# Altium PCB CC_V1.4.PcbDoc (part 2 of 8)
Units mm, origin at the board's own origin, x right, y up, seen from the top; angles counter-clockwise.
Board outline 145 x 123.85 mm, 4 copper layers (Top, GND, Power Plane, Bottom), stack 1.573 mm thick; 334 components, 307 nets, 1570 pads, 1725 vias.
Unrouted connection lines stored in the file: 33.
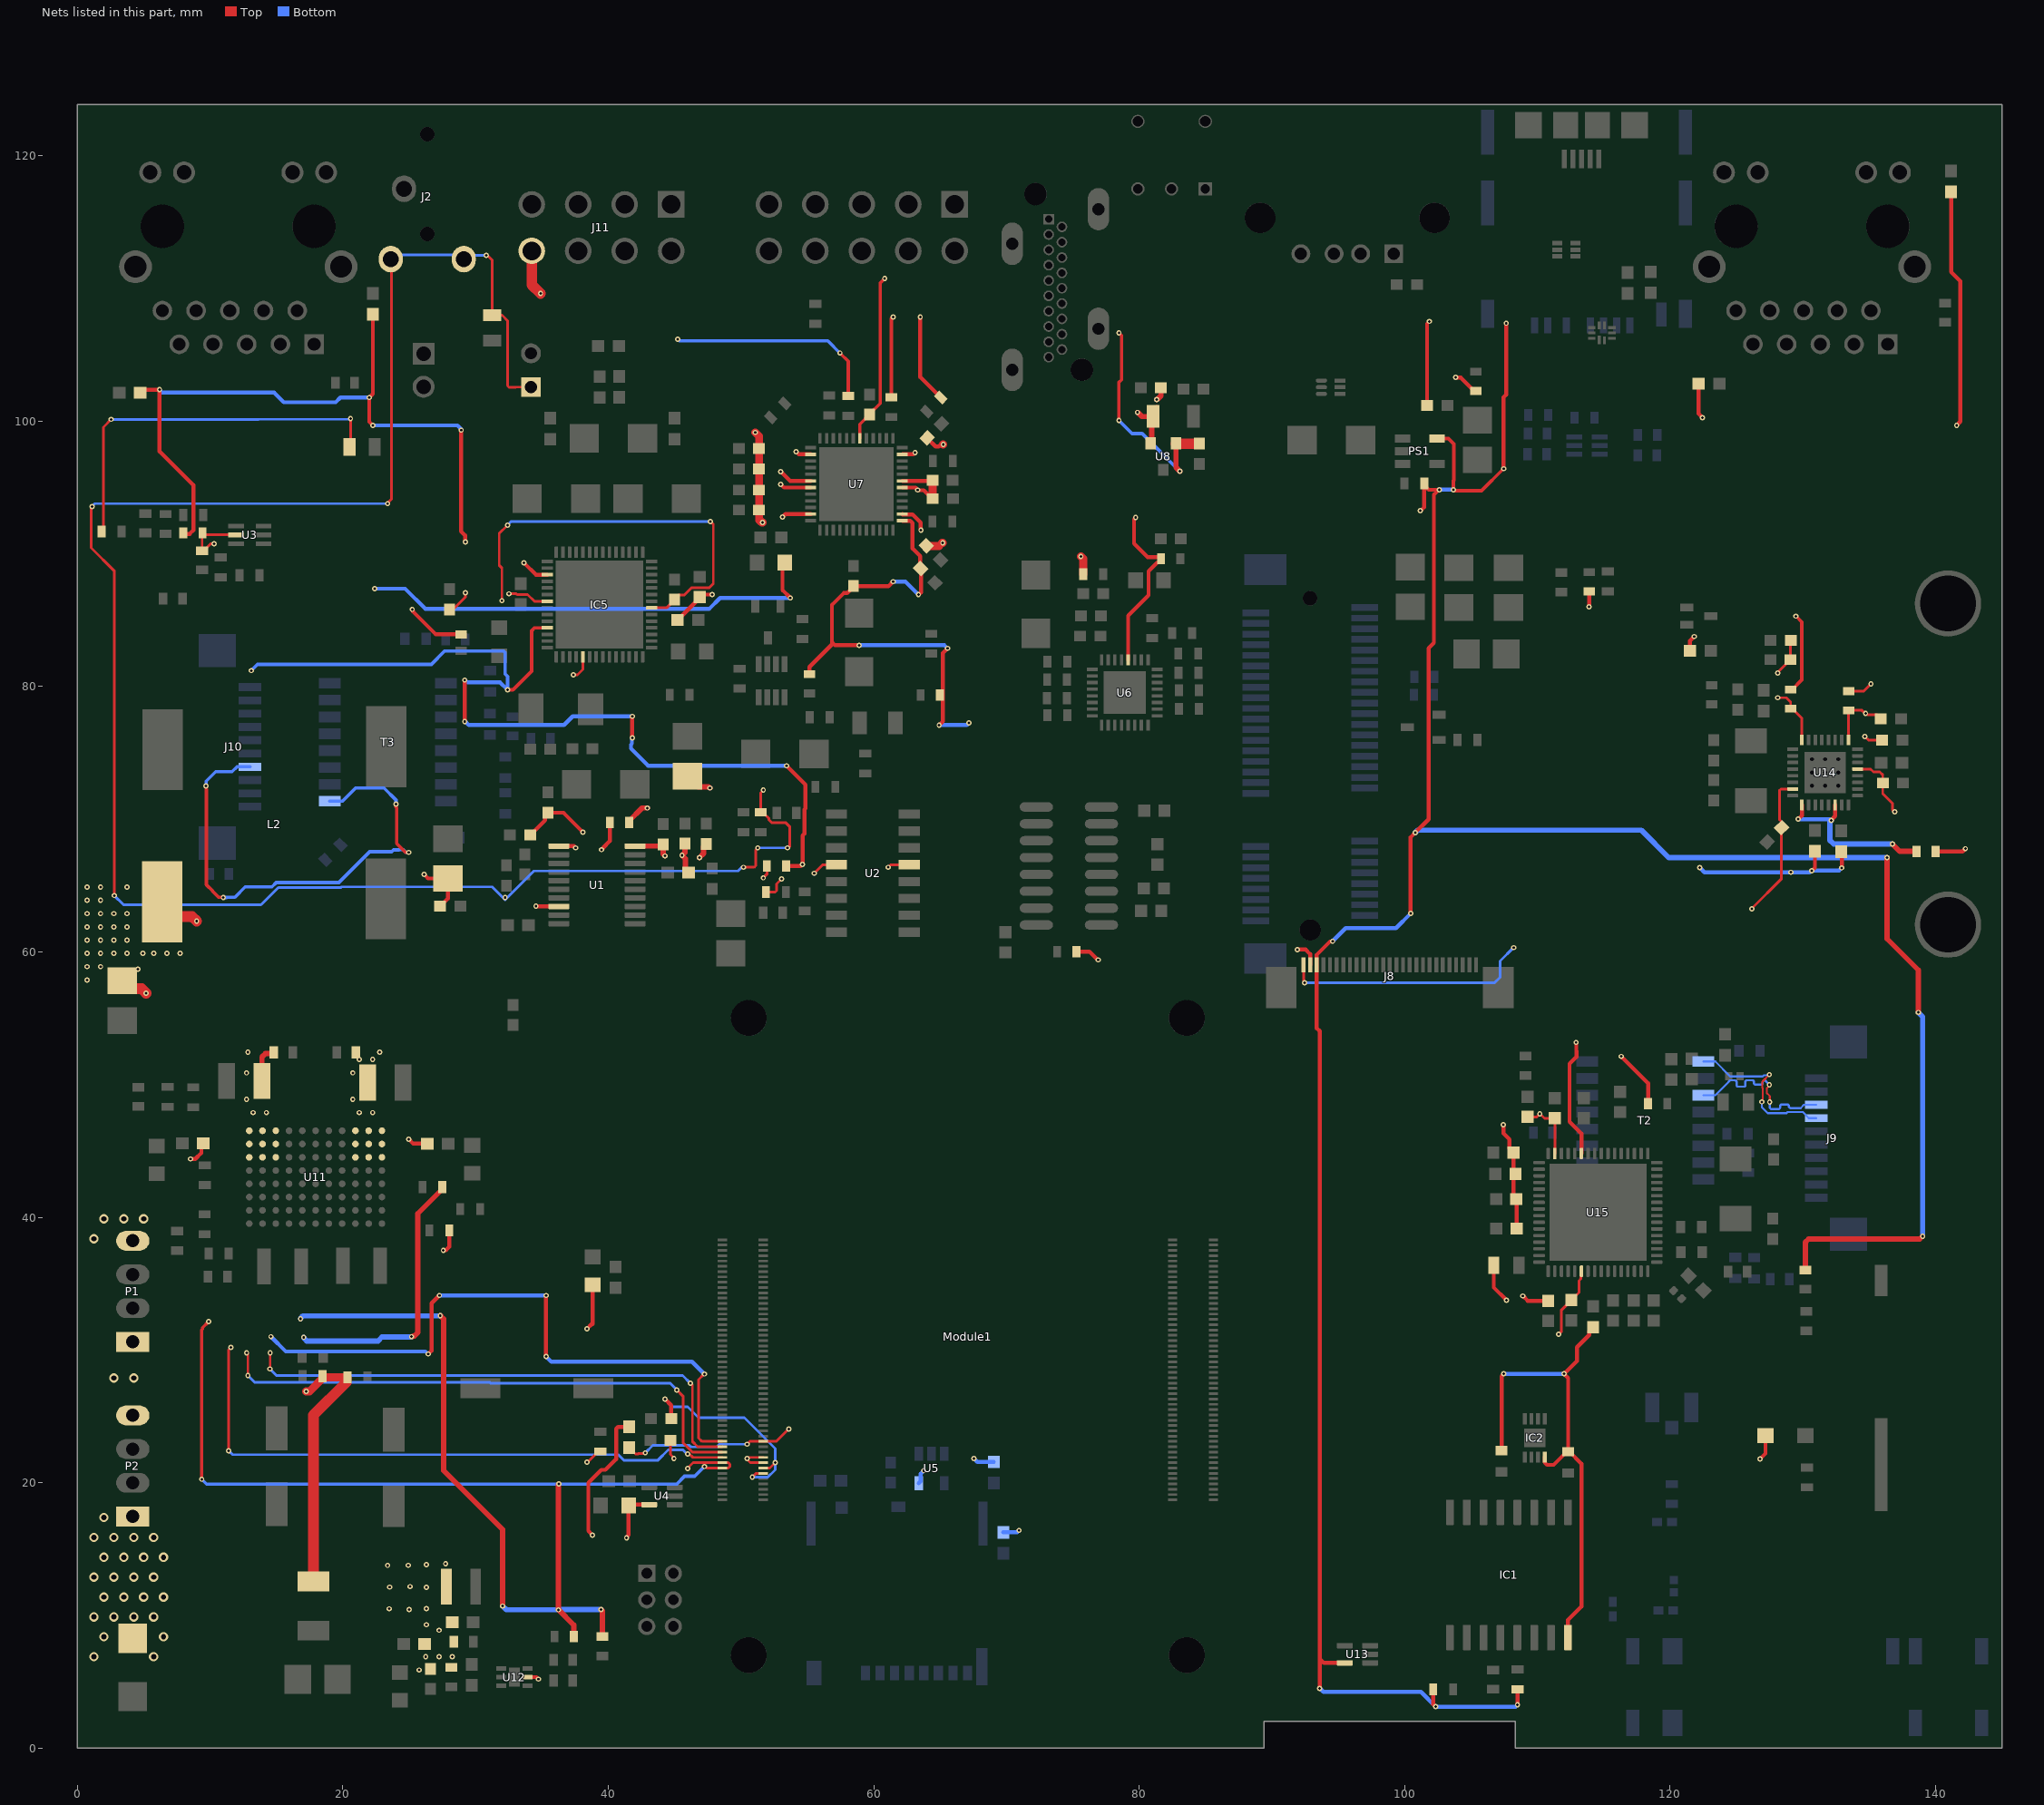
[diagram p4: the nets of this part, all layers, seen from the top]

## Footprints (in the part's own frame and the unit in brackets; to place one, negate y for a bottom-side part, rotate by r counter-clockwise, add the part's x,y. Pads: shape width x height; smd on the part's side, far side on the other; paste and mask are expansions set on the pad) (continued)
HDR1X2 [mm] "Connector; Header; 2 Position"
  rect 1.5x1.5 hole 0.9: 1(0,0)
  round 1.5 hole 0.9: 2(2.54,0)
  silkscreen extent -1.27,-1.27 3.81,1.27
"Key_Tak Switch - Push to On" [mm]
  rect 3x1.5 smd: 1(-0.79,2.21) 2(7.735,2.21)
  silkscreen extent 0,0.51 7,3.91, body extent -0.03,0.53 6.98,3.91, height 2
LED_0805_Green [mm]
  rect 1.1x1.2 smd: 1(-1.05,0) 2(1.05,0)
  silkscreen extent -1.91,-0.89 2.03,0.89, body extent -1,-0.63 1,0.62, height 0.68
LQG15HN [mm]
  rect 0.75x0.6 smd: 1(-0.55,0) 2(0.55,0)
  silkscreen extent 0,-0.15 0,0.15, body extent -0.5,-0.25 0.5,0.25, height 0.55
"Micro SIM Connector (5039600695)" [mm]
  rect 1x2.1 smd: 1(0.599,-15.7) 1(15.502,-15.7)
  rect 1x3.4 smd: 1(0.599,-7.35) 1(0.599,-2.022) 1(15.502,-7.35) 1(15.502,-2.022)
  rect 0.55x1.2 smd: C1(5.78,-16.579) C2(7.78,-16.579) C3(11.985,-16.579) C4(9.58,-16.579) C5(4.78,-16.579) C6(6.78,-16.579) C7(10.985,-16.579)
  rect 0.8x1.8 smd: C8(2.416,-15.748)
  silkscreen extent -0.22,-15.99 16.31,0, body extent 0.3,-16.75 15.8,0, height 1.42
"MINI PCIE" [mm]
  rect 0.508x2.007 smd: 1(-11.8,-30.275) 2(-11.4,-22.075) 3(-11,-30.275) 4(-10.6,-22.075) 5(-10.2,-30.275) 6(-9.8,-22.075) 7(-9.4,-30.275) 8(-9,-22.075) 9(-8.6,-30.275) 10(-8.2,-22.075) 11(-7.8,-30.275) 12(-7.4,-22.075) 13(-7,-30.275) 14(-6.6,-22.075) 15(-6.2,-30.275) 16(-5.8,-22.075) 17(-2.2,-30.275) 18(-1.8,-22.075) 19(-1.4,-30.275) 20(-1,-22.075) 21(-0.6,-30.275) 22(-0.2,-22.075) 23(0.2,-30.275) 24(0.6,-22.075) 25(1,-30.275) 26(1.4,-22.075) 27(1.8,-30.275) 28(2.2,-22.075) 29(2.6,-30.275) 30(3,-22.075) 31(3.4,-30.275) 32(3.8,-22.075) 33(4.2,-30.275) 34(4.6,-22.075) 35(5,-30.275) 36(5.4,-22.075) 37(5.8,-30.275) 38(6.2,-22.075) 39(6.6,-30.275) 40(7,-22.075) 41(7.4,-30.275) 42(7.8,-22.075) 43(8.2,-30.275) 44(8.6,-22.075) 45(9,-30.275) 46(9.4,-22.075) 47(9.8,-30.275) 48(10.2,-22.075) 49(10.6,-30.275) 50(11,-22.075) 51(11.4,-30.275) 52(11.8,-22.075)
  round 1.6 / inner round 1.524 / far side round 1.6 hole 1.6: G1(-12.5,-26.175)
  round 1.092 hole 1.092: G2(12.5,-26.175)
  rect 2.311x3.2 smd: M1(-14.65,-29.545) M2(14.65,-29.545)
  round 6.3 / inner round 1.524 / far side round 5 hole 4.2: ""(-12.1,21.875) ""(12.1,21.875)
  Multi-Layer keep-out circle w0.025: c-12.5,-26.175 r1.105
  silkscreen extent -15,-30.27 15,18.73, body extent -14.99,-30.66 15.01,24.42, height 6.95
ML-1220F1AN [mm]
  rect 7x0.95 smd: 1(-5.5,0)
  rect 2.35x0.95 smd: 2(8.4,0)
  silkscreen extent -9.63,-7.82 6.37,4.81, body extent -7.9,-7.92 8.95,4.68, height 2.7
MOLEX_503398-1892 [mm]
  rect 0.7x1.1 smd: 1(-2.38,5.625) 2(-1.28,5.625) 3(-0.18,5.625) 4(0.92,5.625) 5(2.02,5.625) 6(3.12,5.625) 7(4.22,5.625) 8(5.32,5.625)
  rect 0.9x0.93 smd: 9(-4.17,-6.84)
  rect 1.05x0.78 smd: 10(0.095,-6.915)
  rect 1.14x1.83 smd: P1(-6.26,5.61)
  rect 0.86x2.8 smd: P2(6.4,5.125)
  rect 0.7x3.33 smd: P3(-6.48,-5.64) P4(6.48,-5.64)
  silkscreen extent -6.55,-7.02 6.55,7.57
NR3015T2R2M [mm]
  rect 0.8x2.7 smd: 1(-1.1,0) 2(1.1,0)
  silkscreen extent -1.5,-1.5 1.5,1.5, body extent -1.5,-1.5 1.5,1.5, height 1.5
ON_Semiconductor_523BC_MFG [mm]
  rect 0.663x0.225 smd paste+0 mask+0: 1(-0.519,0.2)
  rect 0.563x0.225 smd paste+0 mask+0: 2(-0.569,-0.2) 6(0.569,-0.2) 7(0.569,0.2)
  rect 0.225x0.563 smd paste+0 mask+0: 3(-0.4,-0.768) 4(0,-0.768) 5(0.4,-0.768) 8(0.4,0.768) 9(0,0.768) 10(-0.4,0.768)
  silkscreen extent -1.55,-1.43 0.5,1.43, body extent -0.71,-0.91 0.71,0.91, height 0.55
OST_USB-A1HSW6 [mm]
  rect 1.428x1.428 hole 0.92: 1(-3.5,6.51)
  round 1.428 hole 0.92: 2(-1,6.51) 3(1,6.51) 4(3.5,6.51)
  round 2.3 hole 2.3 unplated: ""(-6.57,3.8) ""(6.57,3.8)
  silkscreen extent -6.55,-6.5 6.55,7.6, body extent -7.9,-6.48 7.9,7.62, height 6.56
PCBComponent_1#1 [mm]
  oval 2x1.8 hole 1.2: 1(-5.3,-4.5) 2(0,0) 3(0,-5.5)
  round 1.1 hole 1.1: 4(-1.9,-2.75) 5(-9.4,-2.75)
  silkscreen extent -13.4,-6.39 1.05,0.9, body extent -13.4,-6.37 0.6,0.83, height 5.9
PCBComponent_1#2 [mm]
  rect 1.7x0.6 smd: 1(-3.256,4.249) 2(-3.256,3.249) 3(-3.256,2.249) 4(-3.256,1.249) 5(-3.256,0.249) 6(-3.256,-0.751) 7(-3.256,-1.751) 8(-3.256,-2.751) 9(-3.256,-3.751) 10(-3.256,-4.751)
  rect 2.8x2.5 smd: S1(-0.806,6.999) S2(-0.806,-7.501)
  silkscreen extent -4.96,-8.75 3.14,8.25, body extent -3.94,-8.75 2.81,8.25, height 2.52
PCBComponent_1#3 [mm]
  round 1 hole 0.8: 2(2.205,2.255) 3(-2.875,2.255)
  rect 1x1 hole 0.7: 4(2.205,-2.825)
  round 1 hole 0.7: 5(-0.335,-2.825) 6(-2.875,-2.825)
  silkscreen extent -4.14,-3.59 3.35,7.08, body extent -4.09,-3.1 3.42,7.08, height 5
"PCBComponent_1 - duplicate" [mil]
  rect 240x120 smd: 1(0,0) 2(451,-1) 3(460,-664) 4(9,-663)
  silkscreen extent -125,-713 584,52
QFN50P500X500X90-33N [mm]
  rrect25% 0.81x0.27 smd: 1(-2.445,1.75) 2(-2.445,1.25) 3(-2.445,0.75) 4(-2.445,0.25) 5(-2.445,-0.25) 6(-2.445,-0.75) 7(-2.445,-1.25) 8(-2.445,-1.75) 17(2.445,-1.75) 18(2.445,-1.25) 19(2.445,-0.75) 20(2.445,-0.25) 21(2.445,0.25) 22(2.445,0.75) 23(2.445,1.25) 24(2.445,1.75)
  rrect25% 0.27x0.81 smd: 9(-1.75,-2.445) 10(-1.25,-2.445) 11(-0.75,-2.445) 12(-0.25,-2.445) 13(0.25,-2.445) 14(0.75,-2.445) 15(1.25,-2.445) 16(1.75,-2.445) 25(1.75,2.445) 26(1.25,2.445) 27(0.75,2.445) 28(0.25,2.445) 29(-0.25,2.445) 30(-0.75,2.445) 31(-1.25,2.445) 32(-1.75,2.445)
  rect 3.1x3.1 smd paste-3: 33(0,0)
  round 0.4 hole 0.3: 33_1(-1,1) 33_2(0,1) 33_3(1,1) 33_4(-1,0) 33_5(0,0) 33_6(1,0) 33_7(-1,-1) 33_8(0,-1) 33_9(1,-1)
  silkscreen extent -3.55,-2.52 2.52,2.52
QFN50P800X800X90-57N [mm]
  rrect25% 0.86x0.27 smd: 1(-3.935,3.25) 2(-3.935,2.75) 3(-3.935,2.25) 4(-3.935,1.75) 5(-3.935,1.25) 6(-3.935,0.75) 7(-3.935,0.25) 8(-3.935,-0.25) 9(-3.935,-0.75) 10(-3.935,-1.25) 11(-3.935,-1.75) 12(-3.935,-2.25) 13(-3.935,-2.75) 14(-3.935,-3.25) 29(3.935,-3.25) 30(3.935,-2.75) 31(3.935,-2.25) 32(3.935,-1.75) 33(3.935,-1.25) 34(3.935,-0.75) 35(3.935,-0.25) 36(3.935,0.25) 37(3.935,0.75) 38(3.935,1.25) 39(3.935,1.75) 40(3.935,2.25) 41(3.935,2.75) 42(3.935,3.25)
  rrect25% 0.27x0.86 smd: 15(-3.25,-3.935) 16(-2.75,-3.935) 17(-2.25,-3.935) 18(-1.75,-3.935) 19(-1.25,-3.935) 20(-0.75,-3.935) 21(-0.25,-3.935) 22(0.25,-3.935) 23(0.75,-3.935) 24(1.25,-3.935) 25(1.75,-3.935) 26(2.25,-3.935) 27(2.75,-3.935) 28(3.25,-3.935) 43(3.25,3.935) 44(2.75,3.935) 45(2.25,3.935) 46(1.75,3.935) 47(1.25,3.935) 48(0.75,3.935) 49(0.25,3.935) 50(-0.25,3.935) 51(-0.75,3.935) 52(-1.25,3.935) 53(-1.75,3.935) 54(-2.25,3.935) 55(-2.75,3.935) 56(-3.25,3.935)
  rect 6.61x6.61 smd paste-4: 57(0,0)
  silkscreen extent -5.09,-4.05 4.05,4.05
QFN50P900X900X100-65N730X730 [mm]
  rrect50% 0.86x0.26 smd: 1(-4.435,3.75) 2(-4.435,3.25) 3(-4.435,2.75) 4(-4.435,2.25) 5(-4.435,1.75) 6(-4.435,1.25) 7(-4.435,0.75) 8(-4.435,0.25) 9(-4.435,-0.25) 10(-4.435,-0.75) 11(-4.435,-1.25) 12(-4.435,-1.75) 13(-4.435,-2.25) 14(-4.435,-2.75) 15(-4.435,-3.25) 16(-4.435,-3.75) 33(4.435,-3.75) 34(4.435,-3.25) 35(4.435,-2.75) 36(4.435,-2.25) 37(4.435,-1.75) 38(4.435,-1.25) 39(4.435,-0.75) 40(4.435,-0.25) 41(4.435,0.25) 42(4.435,0.75) 43(4.435,1.25) 44(4.435,1.75) 45(4.435,2.25) 46(4.435,2.75) 47(4.435,3.25) 48(4.435,3.75)
  rrect50% 0.26x0.86 smd: 17(-3.75,-4.435) 18(-3.25,-4.435) 19(-2.75,-4.435) 20(-2.25,-4.435) 21(-1.75,-4.435) 22(-1.25,-4.435) 23(-0.75,-4.435) 24(-0.25,-4.435) 25(0.25,-4.435) 26(0.75,-4.435) 27(1.25,-4.435) 28(1.75,-4.435) 29(2.25,-4.435) 30(2.75,-4.435) 31(3.25,-4.435) 32(3.75,-4.435) 49(3.75,4.435) 50(3.25,4.435) 51(2.75,4.435) 52(2.25,4.435) 53(1.75,4.435) 54(1.25,4.435) 55(0.75,4.435) 56(0.25,4.435) 57(-0.25,4.435) 58(-0.75,4.435) 59(-1.25,4.435) 60(-1.75,4.435) 61(-2.25,4.435) 62(-2.75,4.435) 63(-3.25,4.435) 64(-3.75,4.435)
  rect 7.3x7.3 smd paste-5: 65(0,0)
  silkscreen extent -6.67,-4.5 4.5,4.5
R0603 [mil]
  rect 37x35 smd: 1(-31,0) 2(31,0)
  silkscreen extent -58,-25 57,25, body extent -32,-16 31,16, height 18
Raspberry-Pi-4-Compute-Module [mm]
  rect 0.7x0.2 smd mask+0: 1(-2,31.3) 2(1.08,31.3) 3(-2,30.9) 4(1.08,30.9) 5(-2,30.5) 6(1.08,30.5) 7(-2,30.1) 8(1.08,30.1) 9(-2,29.7) 10(1.08,29.7) 11(-2,29.3) 12(1.08,29.3) 13(-2,28.9) 14(1.08,28.9) 15(-2,28.5) 16(1.08,28.5) 17(-2,28.1) 18(1.08,28.1) 19(-2,27.7) 20(1.08,27.7) 21(-2,27.3) 22(1.08,27.3) 23(-2,26.9) 24(1.08,26.9) 25(-2,26.5) 26(1.08,26.5) 27(-2,26.1) 28(1.08,26.1) 29(-2,25.7) 30(1.08,25.7) 31(-2,25.3) 32(1.08,25.3) 33(-2,24.9) 34(1.08,24.9) 35(-2,24.5) 36(1.08,24.5) 37(-2,24.1) 38(1.08,24.1) 39(-2,23.7) 40(1.08,23.7) 41(-2,23.3) 42(1.08,23.3) 43(-2,22.9) 44(1.08,22.9) 45(-2,22.5) 46(1.08,22.5) 47(-2,22.1) 48(1.08,22.1) 49(-2,21.7) 50(1.08,21.7) 51(-2,21.3) 52(1.08,21.3) 53(-2,20.9) 54(1.08,20.9) 55(-2,20.5) 56(1.08,20.5) 57(-2,20.1) 58(1.08,20.1) 59(-2,19.7) 60(1.08,19.7) 61(-2,19.3) 62(1.08,19.3) 63(-2,18.9) 64(1.08,18.9) 65(-2,18.5) 66(1.08,18.5) 67(-2,18.1) 68(1.08,18.1) 69(-2,17.7) 70(1.08,17.7) 71(-2,17.3) 72(1.08,17.3) 73(-2,16.9) 74(1.08,16.9) 75(-2,16.5) 76(1.08,16.5) 77(-2,16.1) 78(1.08,16.1) 79(-2,15.7) 80(1.08,15.7) 81(-2,15.3) 82(1.08,15.3) 83(-2,14.9) 84(1.08,14.9) 85(-2,14.5) 86(1.08,14.5) 87(-2,14.1) 88(1.08,14.1) 89(-2,13.7) 90(1.08,13.7) 91(-2,13.3) 92(1.08,13.3) 93(-2,12.9) 94(1.08,12.9) 95(-2,12.5) 96(1.08,12.5) 97(-2,12.1) 98(1.08,12.1) 99(-2,11.7) 100(1.08,11.7) 101(31.92,31.3) 102(35,31.3) 103(31.92,30.9) 104(35,30.9) 105(31.92,30.5) 106(35,30.5) 107(31.92,30.1) 108(35,30.1) 109(31.92,29.7) 110(35,29.7) 111(31.92,29.3) 112(35,29.3) 113(31.92,28.9) 114(35,28.9) 115(31.92,28.5) 116(35,28.5) 117(31.92,28.1) 118(35,28.1) 119(31.92,27.7) 120(35,27.7) 121(31.92,27.3) 122(35,27.3) 123(31.92,26.9) 124(35,26.9) 125(31.92,26.5) 126(35,26.5) 127(31.92,26.1) 128(35,26.1) 129(31.92,25.7) 130(35,25.7) 131(31.92,25.3) 132(35,25.3) 133(31.92,24.9) 134(35,24.9) 135(31.92,24.5) 136(35,24.5) 137(31.92,24.1) 138(35,24.1) 139(31.92,23.7) 140(35,23.7) 141(31.92,23.3) 142(35,23.3) 143(31.92,22.9) 144(35,22.9) 145(31.92,22.5) 146(35,22.5) 147(31.92,22.1) 148(35,22.1) 149(31.92,21.7) 150(35,21.7) 151(31.92,21.3) 152(35,21.3) 153(31.92,20.9) 154(35,20.9) 155(31.92,20.5) 156(35,20.5) 157(31.92,20.1) 158(35,20.1) 159(31.92,19.7) 160(35,19.7) 161(31.92,19.3) 162(35,19.3) 163(31.92,18.9) 164(35,18.9) 165(31.92,18.5) 166(35,18.5) 167(31.92,18.1) 168(35,18.1) 169(31.92,17.7) 170(35,17.7) 171(31.92,17.3) 172(35,17.3) 173(31.92,16.9) 174(35,16.9) 175(31.92,16.5) 176(35,16.5) 177(31.92,16.1) 178(35,16.1) 179(31.92,15.7) 180(35,15.7) 181(31.92,15.3) 182(35,15.3) 183(31.92,14.9) 184(35,14.9) 185(31.92,14.5) 186(35,14.5) 187(31.92,14.1) 188(35,14.1) 189(31.92,13.7) 190(35,13.7) 191(31.92,13.3) 192(35,13.3) 193(31.92,12.9) 194(35,12.9) 195(31.92,12.5) 196(35,12.5) 197(31.92,12.1) 198(35,12.1) 199(31.92,11.7) 200(35,11.7)
  round 2.7 hole 2.7 paste-2.7 mask+1.7: Un1(0,0) Un2(33,48) Un3(33,0) Un4(0,48)
  silkscreen extent -3.5,-3.5 36.5,51.5
"RES 0603" [mm]
  rect 0.9x0.7 smd: 1(0,0.8) 2(0,-0.8)
  silkscreen extent -0.33,-0.09 0.33,0.11, body extent -0.38,-0.63 0.38,0.89, height 0.45
"RES (0603)"#1 [mm]
  rect 0.6x0.9 smd: 1(0,0) 2(1.5,0)
  silkscreen extent 0.64,-0.33 0.84,0.33, body extent -0.14,-0.38 1.38,0.38, height 0.45
"RES (0603)"#2 [mm]
  rect 0.6x0.85 smd: 1(0,0) 2(1.244,0)
  silkscreen extent 0.52,-0.33 0.72,0.33, body extent -0.14,-0.38 1.38,0.38, height 0.45
"SODFL3616X98N (SOD-123FL)" [mm]
  rect 1.24x1.12 smd: 1(-1.5,0) 2(1.5,0)
  silkscreen extent -2.12,-0.82 1.35,0.82, body extent -1.8,-0.82 1.8,0.82, height 0.98
SOIC16_M [mm] "SOIC, 16-Leads, Body 9.9x3.9mm, Pitch 1.27mm, IPC Low Density"
  oval 2.5x0.7 smd: 1(-2.45,4.445) 2(-2.45,3.175) 3(-2.45,1.905) 4(-2.45,0.635) 5(-2.45,-0.635) 6(-2.45,-1.905) 7(-2.45,-3.175) 8(-2.45,-4.445) 9(2.45,-4.445) 10(2.45,-3.175) 11(2.45,-1.905) 12(2.45,-0.635) 13(2.45,0.635) 14(2.45,1.905) 15(2.45,3.175) 16(2.45,4.445)
  silkscreen extent -2.58,-5 0.8,5.47, body extent -2,-5 2,5, height 1.91
"SOIC127P605X175-16N (SOIC16)" [mm]
  rect 1.575x0.7 smd: 1(-2.738,4.445) 2(-2.738,3.175) 3(-2.738,1.905) 4(-2.738,0.635) 5(-2.738,-0.635) 6(-2.738,-1.905) 7(-2.738,-3.175) 8(-2.738,-4.445) 9(2.738,-4.445) 10(2.738,-3.175) 11(2.738,-1.905) 12(2.738,-0.635) 13(2.738,0.635) 14(2.738,1.905) 15(2.738,3.175) 16(2.738,4.445)
  silkscreen extent -3.52,-4.95 1.6,5.15, body extent -3.03,-4.95 3.03,4.95, height 1.75
"SOIC127P940X597-16N (SOIC16)" [mm]
  rect 1.645x0.8 smd: 1(-4.378,4.445) 2(-4.378,3.175) 3(-4.378,1.905) 4(-4.378,0.635) 5(-4.378,-0.635) 6(-4.378,-1.905) 7(-4.378,-3.175) 8(-4.378,-4.445) 9(4.378,-4.445) 10(4.378,-3.175) 11(4.378,-1.905) 12(4.378,-0.635) 13(4.378,0.635) 14(4.378,1.905) 15(4.378,3.175) 16(4.378,4.445)
  silkscreen extent -5.2,-6.35 3.21,6.35, body extent -4.7,-6.35 4.7,6.35, height 5.97
SOIC127P1032X265-16N [mm]
  rrect25% 1.92x0.59 smd: 1(-4.72,4.445) 2(-4.72,3.175) 3(-4.72,1.905) 4(-4.72,0.635) 5(-4.72,-0.635) 6(-4.72,-1.905) 7(-4.72,-3.175) 8(-4.72,-4.445) 9(4.72,-4.445) 10(4.72,-3.175) 11(4.72,-1.905) 12(4.72,-0.635) 13(4.72,0.635) 14(4.72,1.905) 15(4.72,3.175) 16(4.72,4.445)
  silkscreen extent -6.84,-5.15 3.75,5.23
SON50P150X170X55-6N-D [mm]
  rect 0.85x0.3 smd: 1(-0.7,0.5) 2(-0.7,0) 3(-0.7,-0.5)
  oval 0.85x0.3 smd: 4(0.7,-0.5) 5(0.7,0) 6(0.7,0.5)
  silkscreen extent -1.25,1.03 -1,1.27, body extent -0.8,-0.85 0.8,0.85, height 0.55
"SON65P200X200X80-7N (WDFN-6L)" [mm]
  rect 0.75x0.35 smd: 1(-1,0.65) 2(-1,0) 3(-1,-0.65) 4(1,-0.65) 5(1,0) 6(1,0.65)
  rect 0.85x1.45 smd: 7(0,0)
  silkscreen extent -1.5,1.2 -1.25,1.45, body extent -1.05,-1 1.05,1, height 0.8
SOP65P640X120-20N [mm]
  rrect25% 1.57x0.41 smd: 1(-2.87,2.925) 2(-2.87,2.275) 3(-2.87,1.625) 4(-2.87,0.975) 5(-2.87,0.325) 6(-2.87,-0.325) 7(-2.87,-0.975) 8(-2.87,-1.625) 9(-2.87,-2.275) 10(-2.87,-2.925) 11(2.87,-2.925) 12(2.87,-2.275) 13(2.87,-1.625) 14(2.87,-0.975) 15(2.87,-0.325) 16(2.87,0.325) 17(2.87,0.975) 18(2.87,1.625) 19(2.87,2.275) 20(2.87,2.925)
  silkscreen extent -4.29,-3.45 2.2,3.45, body extent -3.2,-3.25 3.2,3.25, height 1.2
SOT50P160X60-6N [mm]
  rrect8% 0.75x0.35 smd: 1(-0.69,0.5) 2(-0.69,0) 3(-0.69,-0.5) 4(0.69,-0.5) 5(0.69,0) 6(0.69,0.5)
  silkscreen extent -1.9,-0.85 0.65,0.85
SOT65P210X110-5N [mm]
  rrect25% 1.19x0.4 smd: 1(-0.96,0.65) 2(-0.96,0) 3(-0.96,-0.65) 4(0.96,-0.65) 5(0.96,0.65)
  silkscreen extent -2.3,-1.17 0.63,1.17
SOT65P210X110-6N [mil]
  rect 46x14 smd: 1(-41,26) 2(-41,0) 3(-41,-26) 4(41,-26) 5(41,0) 6(41,26)
  silkscreen extent -5,27 5,28
"SOT65P210X110-6N (SC70 6L)" [mm]
  rect 1.2x0.4 smd: 1(-0.95,0.65) 2(-0.95,0) 3(-0.95,-0.65) 4(0.95,-0.65) 5(0.95,0) 6(0.95,0.65)
  silkscreen extent -1.55,1.2 -0.35,1.2, body extent -1.05,-1 1.05,1, height 1.1
"SOT65P280X145-8N (SOT23)" [mm]
  rect 1.2x0.45 smd: 1(-1.25,0.975) 2(-1.25,0.325) 3(-1.25,-0.325) 4(-1.25,-0.975) 5(1.25,-0.975) 6(1.25,-0.325) 7(1.25,0.325) 8(1.25,0.975)
  silkscreen extent -1.85,-1.45 0.3,1.55, body extent -1.4,-1.45 1.4,1.45, height 1.45
"SOT95P237X111-3N (SOT23)" [mm]
  rect 1x0.6 smd: 1(-1.2,0.95) 2(-1.2,-0.95) 3(1.2,0)
  silkscreen extent -1.7,-1.46 0.35,1.5, body extent -1.18,-1.46 1.19,1.46, height 1.11
SOT95P285X140-5N [mm]
  rect 1.15x0.6 smd: 1(-1.3,0.95) 2(-1.3,0) 3(-1.3,-0.95) 4(1.3,-0.95) 5(1.3,0.95)
  silkscreen extent -1.88,-1.5 0.38,1.5, body extent -1.43,-1.5 1.43,1.5, height 1.4
SOT323-BEC [mm]
  rect 0.6x1 smd: B(-0.65,-0.9) C(0,0.9) E(0.65,-0.9)
SOT-23 [mm]
  rect 0.9x0.8 smd mask+0: 1(-1,0.95) 2(-1,-0.95) 3(1,0)
  silkscreen extent -1.4,-1.58 0.76,1.58
SOT-23-5 [mm]
  rect 1.06x0.65 smd mask+0: 1(-1.1,0.95) 2(-1.1,0) 3(-1.1,-0.95) 4(1.1,-0.95) 5(1.1,0.95)
  silkscreen extent -1.83,-1.61 0.9,1.61
SR4L034-R [mm]
  rect 1x2 smd: 1(0,0) 2(-5,0) 3(-6.7,0) 5(-26.3,0) 6(-26.3,5.4) 8(-5,5.4) 9(0,5.4)
  rect 1.5x2 smd: 4(-23.3,0) 7(-23.3,5.4)
  round 0.5 on Bottom Overlay: ""(1.27,-0.762)
  silkscreen extent -27.11,-1.27 0.89,6.73, body extent -27.05,-1.33 0.95,6.67, height 3.3
"TANTAL (SIZE B)" [mm]
  rect 2x2.2 smd: 1(-1.5,0) 2(1.5,0)
  silkscreen extent -1.85,-1.6 1.85,1.6, body extent -1.75,-1.4 1.75,1.4, height 1.9
TE_2-1734592-7 [mm]
  rect 0.3x1.1 smd: 1(-6.5,0) 2(-6,0) 3(-5.5,0) 4(-5,0) 5(-4.5,0) 6(-4,0) 7(-3.5,0) 8(-3,0) 9(-2.5,0) 10(-2,0) 11(-1.5,0) 12(-1,0) 13(-0.5,0) 14(0,0) 15(0.5,0) 16(1,0) 17(1.5,0) 18(2,0) 19(2.5,0) 20(3,0) 21(3.5,0) 22(4,0) 23(4.5,0) 24(5,0) 25(5.5,0) 26(6,0) 27(6.5,0)
  rect 2.3x3.1 smd: S1(-8.17,-1.7) S2(8.17,-1.7)
  silkscreen extent -9.47,-4.55 9.47,1.3, body extent -9.46,-4.58 9.47,0.53, height 2.1
TE_2007435-2 [mm]
  rect 0.8x0.8 hole 0.55: 1(0.5,-1.15)
  round 0.8 hole 0.55: 2(-0.5,-0.572) 3(0.5,0.005) 4(-0.5,0.583) 5(0.5,1.16) 6(-0.5,1.738) 7(0.5,2.315) 8(-0.5,2.893) 9(0.5,3.47) 10(-0.5,4.048) 11(0.5,4.625) 12(-0.5,5.203) 13(0.5,5.78) 14(-0.5,6.358) 15(0.5,6.935) 16(-0.5,7.513) 17(0.5,8.09) 18(-0.5,8.668) 19(0.5,9.245)
  oval 1.6x3.2 hole 0.9 slot 2.68 at 90 deg: SH1(-3.25,7.1) SH2(-3.25,-1.9)
  oval 1.6x3.2 hole 0.9 slot 2.715 at 90 deg: SH3(3.25,10.2) SH4(3.25,0.7)
  round 1.7 hole 1.7 unplated: ""(-2,10.2) ""(1.5,-3.05)
  silkscreen extent -3.85,-10.55 4.49,11.55, body extent -3.8,-11.54 3.94,11.54, height 16.4
UFLRSMT10 [mm]
  rect 1.05x2.2 smd: 1(-1.475,0) 2(1.475,0)
  rect 1x1.05 smd: 3(0,-1.525)
  silkscreen extent -2.3,-1.3 0.95,1.3, body extent -1.51,-1.54 1.49,1.56, height 1.25
USB3085-XX-X_revD [mm] "Micro USB Receptacle, Type AB, SMT, Horizontal, Bottom Mount, without Peg"
  rect 0.4x1.4 smd: 1(-1.3,2.55) 2(-0.65,2.55) 3(0,2.55) 4(0.65,2.55) 5(1.3,2.55)
  rect 2x2 smd: S(-4,0) S(4,0)
  rect 1.9x2 smd: S(-1.2,0) S(1.2,0)
  silkscreen extent -3.7,1.3 3.7,3.8, body extent -4.4,-2.71 4.4,2.78, height 2.59
WE-LHMI_402048 [mm]
  rect 1.5x2.4 smd: 1(-1.85,0) 2(1.85,0)
  silkscreen extent -2,-2 2,2
XH_4Pin [mm]
  rect 1.5x2.5 hole 1: 1(0,0)
  oval 1.5x2.5 hole 1: 2(2.54,0) 3(5.08,0) 4(7.62,0)
  silkscreen extent -1.75,-3.05 9.42,3.33, body extent -2.36,-3.38 10.04,2.37, height 7
XTAL_ECS-250-18-23A-JGN-TR [mm]
  rect 1.9x2.4 smd: 1(-2.25,0) 2(2.25,0)
  silkscreen extent -3.91,-1.75 3,1.75
